# Altium PCB PASTE.PcbDoc (part 5 of 7) (continued)
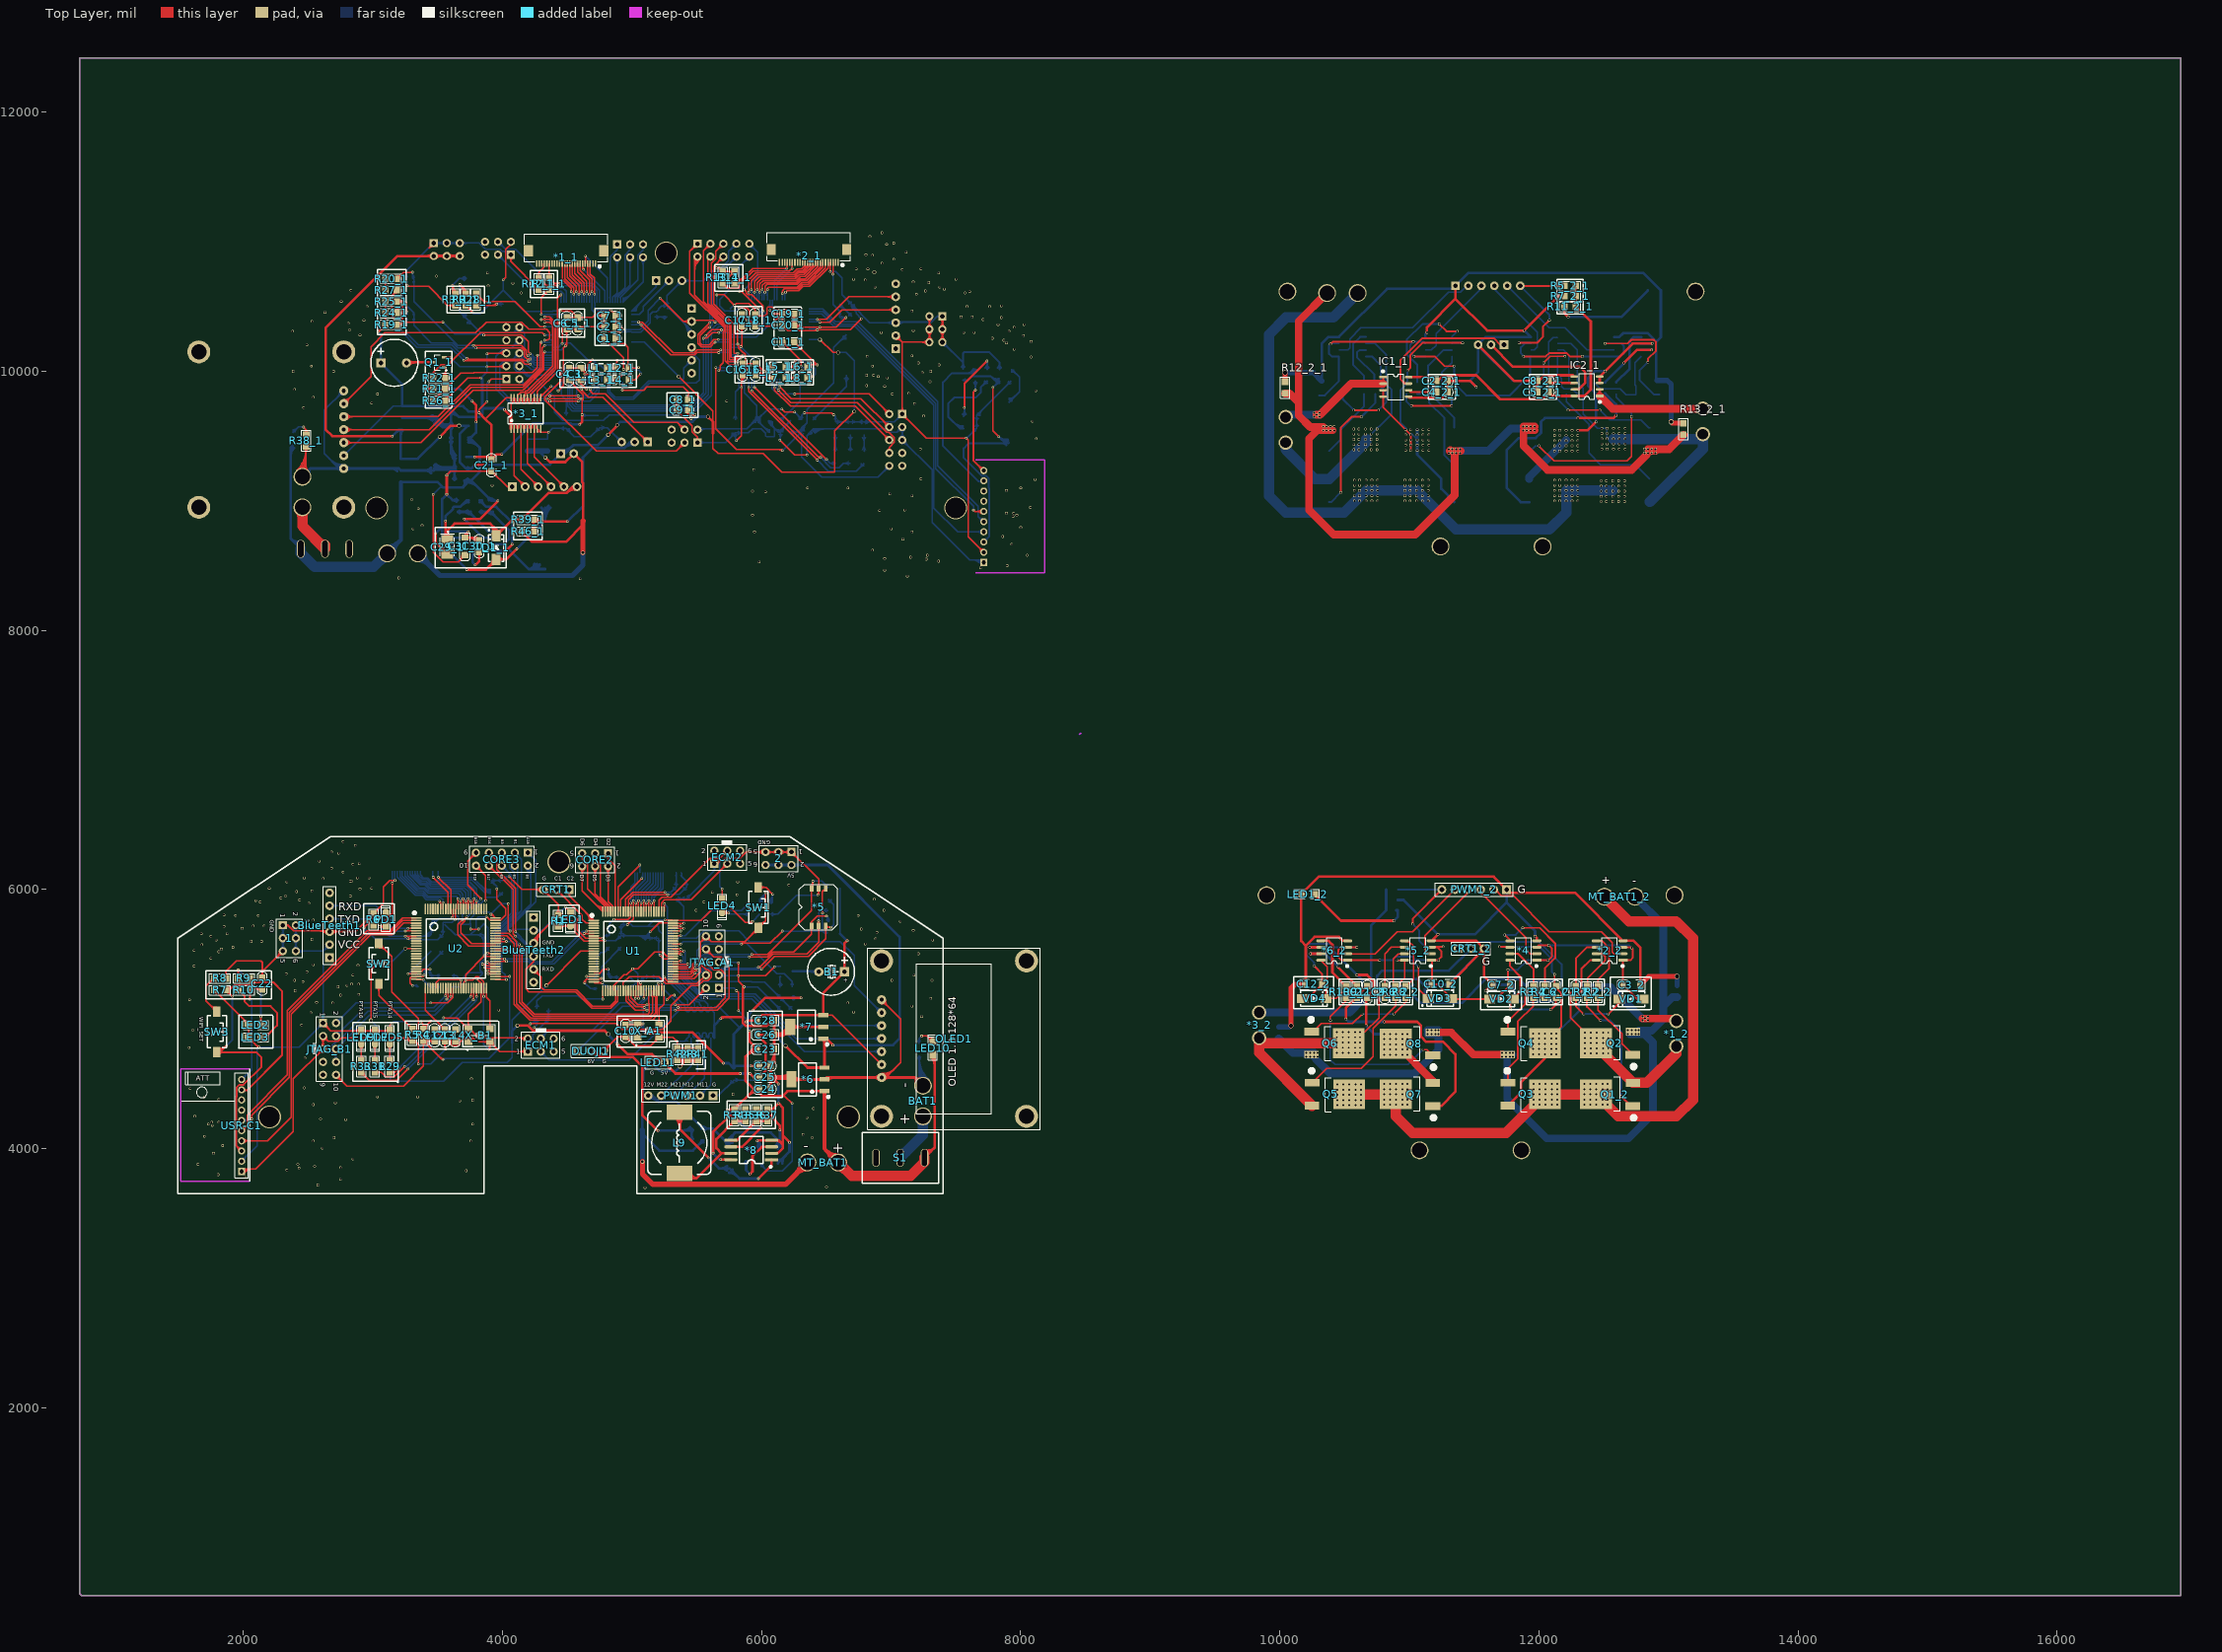
[diagram p0: Top Layer view]
## Nets (pads, with @x,y where several pads share a name; then routed paths per layer and width w, separated by ;. In a path a pad name is that pad's centre, name@x,y a point inside that pad or via, vN(x,y) a via of type N, cw(c..) or ccw(c..) an arc to the next point about the centre after c; other vN are vias at no path point) (continued)
4088.08,5816.92 4088.08,6134.74 4054.57,6168.25 4054.57,6225.43 3995,6285 ; v2@3848.54,5428.54 ccw(c3869.14,5449.14) 3869.14,5420 ; 3850.25,6014.75 ccw(c3910,6074.5) 3910,5990 ; v2@3851.46,5171.46 cw(c3842.93,5162.93) 3855,5162.93 cw(c3867.07,5162.93) v2@3858.54,5171.46 ; v2@3851.46,5178.54 ccw(c3842.93,5187.07) 3855,5187.07 ccw(c3867.07,5187.07) v2@3858.54,5178.54 ; 3852,5497.24 ccw(c3867.24,5497.24) v2@3856.46,5486.46 ; 3852,5521.38 ccw(c3891.38,5521.38) v2@3863.54,5493.54 ; 3859.14,5255.86 ccw(c3869.14,5245.86) 3855,5245.86 ccw(c3820.86,5245.86) 3845,5270 3855,5260 v2(3855,5175) 3855,4805 v2(3895,4765) ; v2(3860,5400) 3886.78,5400 3897.84,5388.94 3948.19,5388.94 3949.25,5390 3949.25,5658.38 4115,5824.13 4115,6165 4095,6185 ; v2(3860,5490) 3852,5498 3852,5650 3750,5650 ; v2@3863.54,5396.46 cw(c3872.07,5387.93) 3872.07,5400 cw(c3872.07,5412.07) v2@3863.54,5403.54 ; v2@3866.46,5911.46 ccw(c3857.93,5902.93) 3857.93,5915 ccw(c3857.93,5927.07) v2@3866.46,5918.54 ; v2@3871.46,5786.46 ccw(c3862.93,5777.93) 3862.93,5790 ccw(c3862.93,5802.07) v2@3871.46,5793.54 ; v2(3875,5790) 3815,5790 3795,5770 3795,5695 3750,5650 ; v2@3876.46,10131.46 cw(c3867.93,10122.93) 3880,10122.93 cw(c3892.07,10122.93) v2@3883.54,10131.46 ; 3878.94,5483.29 cw(c3911.71,5483.29) v2@3888.54,5506.46 ; v2(3880,9765) 3880,9905 v2(3895,9920) ; v2(3880,10135) v2(3880,10035) ; v2@3881.46,5513.54 ccw(c3870.67,5524.33) 3885.94,5524.33 ; v2@3883.54,10031.46 ccw(c3892.07,10022.93) 3880,10022.93 ccw(c3867.93,10022.93) 3876.46,10031.46 ccw(c3867.93,10022.93) 3867.93,10035 ccw(c3867.93,10047.07) 3876.46,10038.54 ccw(c3867.93,10047.07) 3880,10047.07 ccw(c3892.07,10047.07) v2@3883.54,10038.54 ; 3884.39,5980.61 ccw(c3910,6006.21) 3910,5970 ; v2(3885,5375) 3955.29,5375 3963.19,5382.9 3963.19,5652.61 4147.79,5837.21 4147.79,6232.21 4095,6285 ; v2(3885,5440) 3915,5440 3915,5663.55 4070,5818.55 4070,6110 3995,6185 ; v2@3888.54,5371.46 cw(c3897.07,5362.93) 3897.07,5375 cw(c3897.07,5387.07) v2@3888.54,5378.54 ; v2@3888.54,5436.46 cw(c3897.07,5427.93) 3897.07,5440 cw(c3897.07,5452.07) v2@3888.54,5443.54 ; v2@3890,4765 ccw(c3877.93,4765) 3886.46,4773.54 ccw(c3895,4782.07) v2@3895,4770 ; v2(3890,5350) 3950,5350 3980,5380 3980,5603.51 3977.13,5606.38 3977.13,5646.84 4217.65,5887.35 4217.65,6162.35 4195,6185 ; v2@3893.54,5346.46 cw(c3902.07,5337.93) 3902.07,5350 cw(c3902.07,5362.07) v2@3893.54,5353.54 ; v2@3905,5810 ccw(c3892.93,5810) 3901.46,5818.54 ccw(c3910,5827.07) 3910,5815 ccw(c3910,5827.07) 3918.54,5818.54 ccw(c3927.07,5810) v2@3915,5810 ; 3910,6050 cw(c3910,6001.72) 3944.14,6035.86 cw(c3978.28,6070) 3930,6070 ; 3924.14,6055.86 cw(c3958.28,6021.72) 3958.28,6070 cw(c3958.28,6118.28) 3924.14,6084.14 ; v2@3951.46,6008.54 ccw(c3942.93,6017.07) 3955,6017.07 ccw(c3967.07,6017.07) v2@3958.54,6008.54 ; v2(3955,6005) 3955,6025 3910,6070 4000,6070 4030,6100 ; v2(3955,10520) 4000,10520 4005,10525 ; v2@3957.5,10515.67 cw(c3964.29,10503.9) 3967.81,10517.03 ; v2@3957.5,10524.33 ccw(c3964.29,10536.1) 3967.81,10522.97 ; v2@3958.54,10516.46 cw(c3967.07,10507.93) 3967.07,10520 cw(c3967.07,10532.07) v2@3958.54,10523.54 ; v2@3959.33,10517.5 cw(c3968.47,10512.22) 3965.74,10522.42 ; v2@3959.33,10522.5 ccw(c3968.47,10527.78) 3965.74,10517.58 ; 3965,10873.5 cw(c3965,10809.54) 4010.23,10854.77 cw(c4055.46,10900) 3991.5,10900 ; 3965,10883.5 cw(c3965,10843.68) 3993.16,10871.84 cw(c4021.32,10900) 3981.5,10900 ; 3965,10900 4245,10620 4450,10620 4473.24,10596.76 4473.24,10530.21 ; 3965,10973.5 cw(c3965,10909.54) 4010.23,10954.77 cw(c4055.46,11000) 3991.5,11000 ; 3965,10983.5 cw(c3965,10943.68) 3993.16,10971.84 cw(c4021.32,11000) 3981.5,11000 ; 3965,11000 4024.57,10940.43 4100.2,10940.43 4400.63,10640 4470,10640 4492.93,10617.07 4492.93,10530.21 ; 3980,5980 cw(c3931.72,5980) 3965.86,5945.86 cw(c4000,5911.72) 4000,5960 ; 3985.86,6055.86 ccw(c3951.72,6021.72) 3951.72,6070 ccw(c3951.72,6118.28) 3985.86,6084.14 ; 3990.86,10505.86 ccw(c3956.72,10471.72) 3956.72,10520 ccw(c3956.72,10568.28) 3990.86,10534.14 ; 3995,6158.5 cw(c3995,6094.54) 4040.23,6139.77 cw(c4085.46,6185) 4021.5,6185 ; 3995,6168.5 cw(c3995,6128.68) 4023.16,6156.84 cw(c4051.32,6185) 4011.5,6185 ; 3995,6258.5 cw(c3995,6194.54) 4040.23,6239.77 cw(c4085.46,6285) 4021.5,6285 ; 3995,6268.5 cw(c3995,6228.68) 4023.16,6256.84 cw(c4051.32,6285) 4011.5,6285 ; 4001.91,6089.91 ccw(c4005.25,6124.74) 4030,6100 ; v2(4005,10705) 4005,10625 ; 4008.77,10926.5 cw(c4008.77,10884.72) 4049.08,10895.67 ; v2(4010,5620) 4085,5620 v2(4130,5575) ; v2@4013.54,5616.46 cw(c4022.07,5607.93) 4022.07,5620 cw(c4022.07,5632.07) v2@4013.54,5623.54 ; v2(4015,5465) 4200.04,5465 4222.44,5442.6 4382.6,5442.6 4620,5680 v2(4650,5680) ; v2@4018.54,5461.46 cw(c4027.07,5452.93) 4027.07,5465 cw(c4027.07,5477.07) v2@4018.54,5468.54 ; 4019.91,6071.91 cw(c4054.74,6075.25) 4030,6100 ; 4021.85,10926.5 cw(c4021.85,10888.27) 4058.73,10898.3 ; v2@4025,5305 ccw(c4012.93,5305) 4021.46,5313.54 ccw(c4030,5322.07) v2@4030,5310 ; v2(4030,5305) 4018.94,5316.06 4018.94,5343.94 3995,5367.87 3995,5608.22 3991.06,5612.16 3991.06,5641.06 4255,5905 4255,6225 4195,6285 ; v2(4030,5445) 4200.16,5445 4216.5,5428.66 4398.66,5428.66 v2(4630.89,5660.89) ; v2(4030,5600) 4080,5600 4111.06,5568.94 4111.06,5567.16 4122.16,5556.06 4148.94,5556.06 v2(4150,5555) ; v2@4033.54,5441.46 cw(c4042.07,5432.93) 4042.07,5445 cw(c4042.07,5457.07) v2@4033.54,5448.54 ; v2@4033.54,5596.46 cw(c4042.07,5587.93) 4042.07,5600 cw(c4042.07,5612.07) v2@4033.54,5603.54 ; 4034.93,10926.5 cw(c4034.93,10891.83) 4068.38,10900.92 ; v2(4035,5545) 4036.06,5543.94 4067.84,5543.94 4078.94,5532.84 4078.94,5531.06 4105,5505 4160.29,5505 4176.06,5520.77 4176.06,5575 4111.06,5640 ; v2@4038.54,5548.54 ccw(c4049.64,5559.64) 4049.64,5543.94 ; 4039.43,10893.05 ccw(c3995.69,10881.17) 3995.69,10926.5 ; v2(4045,5890) 3990,5890 v2(3910,5810) 3895,5825 3800,5825 3750,5775 3750,5740 ; v2@4046.46,6096.46 ccw(c4037.93,6087.93) 4037.93,6100 ccw(c4037.93,6112.07) v2@4046.46,6103.54 ; v2(4050,6100) 4030,6100 ; v2@4051.46,5326.46 cw(c4042.93,5317.93) 4055,5317.93 cw(c4067.07,5317.93) v2@4058.54,5326.46 ; v2@4060,5520 cw(c4060,5507.93) 4068.54,5516.46 cw(c4077.07,5525) v2@4065,5525 ; v2(4060,5525) 4095,5490 4165,5490 4190,5515 4190,5585 v2(4100,5675) ; v2(4060,5680) 4073.94,5693.94 4231.06,5693.94 4240,5685 4305,5685 ; 4065,10900 4038.5,10926.5 3995.68,10926.5 ; 4075,4910 4075,4995 v3(4340,5260) ; 4095,6258.5 cw(c4095,6194.54) 4140.23,6239.77 cw(c4185.46,6285) 4121.5,6285 ; 4095,6268.5 cw(c4095,6228.68) 4123.16,6256.84 cw(c4151.32,6285) 4111.5,6285 ; v2@4100,5635 cw(c4100,5596.22) 4127.42,5623.64 ; v2(4100,5640) 4111.06,5640 ; v2@4100,5645 cw(c4100,5630.36) 4110.35,5640.71 ; v2@4100,5670 cw(c4100,5657.93) 4108.54,5666.46 cw(c4117.07,5675) v2@4105,5675 ; 4103.5,10140 cw(c4039.54,10140) 4084.77,10094.77 cw(c4130,10049.54) 4130,10113.5 ; 4103.5,10240 cw(c4039.54,10240) 4084.77,10194.77 cw(c4130,10149.54) 4130,10213.5 ; 4103.59,10337.82 cw(c4055.31,10333.83) 4089.57,10299.57 ; v2@4103.75,5636.7 cw(c4111.06,5630.26) 4111.06,5640 ; v2@4103.75,5643.3 ccw(c4111.06,5649.74) 4111.06,5640 ; 4113.5,10140 cw(c4073.68,10140) 4101.84,10111.84 cw(c4130,10083.68) 4130,10123.5 ; 4113.5,10240 cw(c4073.68,10240) 4101.84,10211.84 cw(c4130,10183.68) 4130,10223.5 ; 4113.56,10338.64 cw(c4083.5,10336.16) 4104.83,10314.83 cw(c4126.16,10293.5) 4128.64,10323.56 ; v2@4125,5575 ccw(c4112.93,5575) 4121.46,5583.54 ccw(c4130,5592.07) v2@4130,5580 ; 4127.82,10313.59 ccw(c4123.83,10265.31) 4089.57,10299.57 ; 4130,9913.5 cw(c4130,9849.54) 4175.23,9894.77 cw(c4220.46,9940) 4156.5,9940 ; 4130,9923.5 cw(c4130,9883.68) 4158.16,9911.84 cw(c4186.32,9940) 4146.5,9940 ; 4130,9940 4260,9810 v2(4365,9810) ; 4130,10040 4197.05,9972.95 4437.95,9972.95 4451.06,9986.06 4451.06,9987.84 4493.22,10030 4720,10030 4768.52,9981.48 4768.52,9919.79 ; 4130,10140 4070.43,10080.43 4013.25,10080.43 3980,10047.18 3980,9865 4055,9790 v2(4345,9790) ; 4130,10240 4070.43,10180.43 4013.25,10180.43 3950,10117.18 3950,9865 4043.94,9771.06 4363.94,9771.06 v2(4365,9770) ; 4130,10313.5 cw(c4130,10261.61) 4166.7,10298.3 ; 4135.36,5556.06 cw(c4135.36,5540.36) v2@4146.46,5551.46 ; 4146.35,10337.81 ccw(c4180.5,10333.23) 4156.14,10308.86 ; 4156.26,10336.48 ccw(c4205.71,10329.85) 4170.43,10294.57 ; 4176.26,6166.26 cw(c4076.36,6066.36) 4217.65,6066.36 ; 4183.18,4773.71 ccw(c4173.65,4792.82) 4195,4792.82 ; 4183.34,6173.34 cw(c4100.51,6090.51) 4217.65,6090.51 ; 4190,9475 4270,9475 4350,9475 4350,9525 v2(4355,9530) 4385,9560 4492,9560 4492,9558 4555,9495 4680,9495 4750,9565 4810,9565 4920,9455 ; 4190.41,6180.41 cw(c4124.65,6114.65) 4217.65,6114.65 ; 4195,4750 4195,4792.82 ; 4195,6258.5 cw(c4195,6194.54) 4240.23,6239.77 cw(c4285.46,6285) 4221.5,6285 ; 4195,6268.5 cw(c4195,6228.68) 4223.16,6256.84 cw(c4251.32,6285) 4211.5,6285 ; v2(4195,10080) 4201.06,10073.94 4222.84,10073.94 4248.95,10047.83 4384.57,10047.83 ; v2(4195,10120) 4201.06,10113.94 4222.84,10113.94 4249.58,10087.2 4384.57,10087.2 ; 4197.48,6187.48 cw(c4148.79,6138.79) 4217.65,6138.79 ; v2@4198.54,10083.54 ccw(c4221.71,10106.71) 4221.71,10073.94 ; v2@4198.54,10123.54 ccw(c4221.71,10146.71) 4221.71,10113.94 ; 4204.55,6194.55 cw(c4172.93,6162.93) 4217.65,6162.93 ; 4206.82,4773.71 cw(c4216.35,4792.82) 4195,4792.82 ; v2@4215,4960 ccw(c4215,4984.14) 4232.07,4967.07 ; v2(4215,4965) 4230,4965 4265,5000 4265,4955 ; v2@4215,4970 ccw(c4215,5018.28) 4249.14,4984.14 ; v2@4215,10050 cw(c4215,10037.93) 4223.54,10046.46 cw(c4232.07,10055) v2@4220,10055 ; v2(4215,10055) 4241.85,10028.15 4384.57,10028.15 ; v2(4215,10095) 4221.49,10095 4248.97,10067.52 4384.57,10067.52 ; v2(4215,10135) 4221.49,10135 4250.43,10106.06 4383.74,10106.06 4384.57,10106.89 ; v2@4218.54,4961.46 cw(c4227.07,4952.93) 4227.07,4965 cw(c4227.07,4977.07) v2@4218.54,4968.54 ; v2(4245,4935) 4265,4955 ; v2@4245,4940 ccw(c4245,4952.07) 4253.54,4943.54 ccw(c4262.07,4935) v2@4250,4935 ; 4245,5000 cw(c4196.72,5000) 4230.86,4965.86 cw(c4265,4931.72) 4265,4980 ; 4250.86,5094.14 ccw(c4216.72,5128.28) 4265,5128.28 ccw(c4313.28,5128.28) 4279.14,5094.14 ; 4251.6,4985.15 cw(c4224.38,4955) 4265,4955 ; 4260.92,5665.7 cw(c4305,5625.03) 4305,5685 ; 4260.92,5704.3 ccw(c4305,5744.97) 4305,5685 ; 4265,5080 4265,5140 4305,5180 4585,5180 4610,5155 v2(4775,5155) ; v2(4270,10125) 4382.99,10125 4384.57,10126.57 ; v2@4273.54,10121.46 cw(c4282.07,10112.93) 4282.07,10125 cw(c4282.07,10137.07) v2@4273.54,10128.54 ; 4278.4,4985.15 ccw(c4305.62,4955) 4265,4955 ; 4295,4723.5 cw(c4295,4659.54) 4340.23,4704.77 cw(c4385.46,4750) 4321.5,4750 ; 4295,4733.5 cw(c4295,4693.68) 4323.16,4721.84 cw(c4351.32,4750) 4311.5,4750 ; 4295,4750 4360,4685 4976.78,4685 5373.94,5082.16 5373.94,5101.06 5248.94,5226.06 5248.94,5323.94 v2(5250,5325) ; 4295,4850 4350,4905 4685,4905 4905,5125 5000,5125 5025,5150 v2(5025,5160) ; 4295,4866.5 ccw(c4295,4906.32) 4323.16,4878.16 ccw(c4351.32,4850) 4311.5,4850 ; 4295,4876.5 ccw(c4295,4940.46) 4340.23,4895.23 ccw(c4385.46,4850) 4321.5,4850 ; v2(4300,10225) 4303.94,10221.06 4332.84,10221.06 4332.92,10221.14 4370,10221.14 ; v2(4300,10400) v2@4305,10400 ; v2@4300,10401.06 4383.46,10401.06 4384.57,10402.17 ; v2(4300,10440) 4383.03,10440 4384.57,10441.54 4493.46,10441.54 v2(4560,10375) ; v2@4303.54,10228.54 ccw(c4321.58,10246.58) 4321.58,10221.06 ; v2@4303.54,10396.46 cw(c4314.64,10385.36) 4314.64,10401.06 ; v2@4303.54,10436.46 cw(c4312.07,10427.93) 4312.07,10440 cw(c4312.07,10452.07) v2@4303.54,10443.54 ; v2(4325,10150) 4328.74,10146.26 4384.57,10146.26 ; v2(4325,10200) 4330.31,10205.32 4384.57,10205.32 ; v2(4325,10240) 4342.74,10240 ; v2(4325,10280) 4343.37,10280 ; v2(4325,10345) 4326.89,10343.11 4384.57,10343.11 ; v2(4325,10380) 4327.48,10382.48 4384.57,10382.48 ; v2(4325,10420) 4382.72,10420 4384.57,10421.85 ; v2@4327.95,10244.03 ccw(c4336.69,10255.97) 4340.52,10241.68 ; v2@4328.54,10153.54 ccw(c4346.1,10171.1) 4346.1,10146.26 ; v2@4328.54,10196.46 cw(c4349.9,10175.1) 4349.9,10205.32 ; v2@4328.54,10236.46 cw(c4337.07,10227.93) 4337.07,10240 cw(c4337.07,10252.07) v2@4328.54,10243.54 ; v2@4328.54,10276.46 cw(c4337.07,10267.93) 4337.07,10280 cw(c4337.07,10292.07) v2@4328.54,10283.54 ; v2@4328.54,10348.54 ccw(c4341.63,10361.63) 4341.63,10343.11 ; v2@4328.54,10376.46 cw(c4343.06,10361.94) 4343.06,10382.48 ; v2@4328.54,10416.46 cw(c4337.07,10407.93) 4337.07,10420 cw(c4337.07,10432.07) v2@4328.54,10423.54 ; v2@4334.25,10240 ccw(c4334.25,10260.56) 4348.78,10246.02 ; 4335,5000 cw(c4286.72,5000) 4320.86,4965.86 cw(c4355,4931.72) 4355,4980 ; 4335.77,10280 ccw(c4335.77,10298.41) 4348.78,10285.39 ; 4336.24,10012.32 cw(c4336.24,9994.59) 4348.78,10007.13 ; 4336.24,10221.14 ccw(c4336.24,10238.88) 4348.78,10226.34 ; 4340.86,5014.14 ccw(c4306.72,5048.28) 4355,5048.28 ccw(c4403.28,5048.28) 4369.14,5014.14 ; 4340.86,5065.86 cw(c4306.72,5031.72) 4355,5031.72 cw(c4403.28,5031.72) 4369.14,5065.86 ; 4341.09,10420 ccw(c4341.09,10430.88) 4348.78,10423.19 ; v2@4341.46,9786.46 ccw(c4332.93,9777.93) 4332.93,9790 ccw(c4332.93,9802.07) v2@4341.46,9793.54 ; 4341.75,10125 ccw(c4341.75,10134.94) 4348.78,10127.91 ; 4341.85,10440 ccw(c4341.85,10449.8) 4348.78,10442.87 ; 4342.89,10401.06 ccw(c4342.89,10409.39) 4348.78,10403.5 ; 4348.24,10244.9 cw(c4342.74,10245.54) 4342.74,10240 ; 4349.8,10242.82 ccw(c4348.62,10235.77) 4343.56,10240.83 ; 4349.8,10282.19 ccw(c4348.62,10275.14) 4343.56,10280.2 ; 4349.86,10282.18 ccw(c4348.81,10274.56) 4343.37,10280 ; 4350.02,10242.8 ccw(c4349.52,10233.22) 4342.74,10240 ; 4350.36,9771.06 cw(c4350.36,9755.36) v2@4361.46,9766.46 ; 4355,5080 4355,5000 4235.43,4880.43 4235.43,4833.25 4195,4792.82 ; v2@4355,9535 ccw(c4355,9547.07) 4363.54,9538.54 ccw(c4372.07,9530) v2@4360,9530 ; v2@4361.46,9806.46 ccw(c4352.93,9797.93) 4352.93,9810 ccw(c4352.93,9822.07) v2@4361.46,9813.54 ; v2(4375,9885) 4395,9885 v2(4430,9850) ; v2@4378.54,9881.46 cw(c4387.07,9872.93) 4387.07,9885 cw(c4387.07,9897.07) v2@4378.54,9888.54 ; 4384.57,9988.78 4388.43,9992.64 4425.57,9992.64 ; 4384.57,10008.46 4380.71,10012.32 4222.68,10012.32 4170.43,10064.57 4170.43,10123.25 ; 4384.57,10165.94 4455.94,10165.94 v2(4485,10195) ; 4384.57,10185.63 4385.2,10185 4430,10185 v2(4460,10215) 4465,10220 4525,10220 4655,10090 v2(4695,10090) 4741.06,10043.94 4760.26,10043.94 4843.4,9960.79 ; 4384.57,10244.68 4380.71,10240.83 4343.56,10240.83 ; 4384.57,10284.06 4380.71,10280.2 4343.56,10280.2 ; 4419.02,9990.67 ccw(c4419.02,10001.74) 4426.85,9993.91 ; 4419.02,10187.52 ccw(c4419.02,10220.12) 4442.07,10197.07 ; 4419.33,9990.64 ccw(c4420.52,9997.69) 4425.57,9992.64 ; v2@4425,9850 ccw(c4412.93,9850) 4421.46,9858.54 ccw(c4430,9867.07) v2@4430,9855 ; v2(4425,10660) 4690,10660 4729.15,10620.85 4729.15,10530.21 ; v2@4428.54,10656.46 cw(c4437.07,10647.93) 4437.07,10660 cw(c4437.07,10672.07) v2@4428.54,10663.54 ; 4435.85,10002.92 ccw(c4413.78,10025) v2@4445,10025 ; v2(4445,10465) 4388.35,10465 4384.57,10461.22 4168.78,10461.22 4005,10625 ; v2(4445,10680) 4695,10680 4748.83,10626.17 4748.83,10530.21 ; v2@4446.46,10586.46 cw(c4437.93,10577.93) 4450,10577.93 cw(c4462.07,10577.93) v2@4453.54,10586.46 ; v2@4448.54,10676.46 cw(c4457.07,10667.93) 4457.07,10680 cw(c4457.07,10692.07) v2@4448.54,10683.54 ; v2(4450,10025) 4450,10017.07 4425.57,9992.64 ; 4450,10577.82 ccw(c4466.71,10577.82) 4454.9,10566 ; v2(4450,10590) 4450,10533.77 4453.56,10530.21 ; 4455,9918.35 4453.56,9919.79 4453.56,9816.44 4491.06,9778.94 4491.06,9660.94 4492,9660 ; v2@4455,10215 cw(c4442.93,10215) 4451.46,10206.46 cw(c4460,10197.93) v2@4460,10210 ; v2@4463.54,10211.46 cw(c4484.14,10190.86) 4484.14,10220 ; v2@4466.46,9976.46 cw(c4457.93,9967.93) 4470,9967.93 cw(c4482.07,9967.93) v2@4473.54,9976.46 ; 4470,9966.63 ccw(c4485.64,9966.63) 4474.58,9955.57 ; v2(4470,9980) 4470,9923.03 4473.24,9919.79 ; 4472.93,9546.83 ccw(c4441.14,9515.04) 4441.14,9560 ccw(c4441.14,9604.96) 4472.93,9573.17 ; 4478.83,9673.17 ccw(c4449.3,9702.7) 4491.06,9702.7 ; v2@4480,10195 cw(c4467.93,10195) 4476.46,10186.46 cw(c4485,10177.93) v2@4485,10190 ; v2(4485,5865) 4305,5685 ; 4491.06,9707.22 ccw(c4539.22,9707.22) 4505.17,9673.17 ; 4492.93,9919.79 4495,9921.86 4495,9970 v2(4500,9975) ; 4497.91,9541.38 cw(c4497.91,9515.51) 4516.2,9533.8 ; 4506.53,9560 ccw(c4546.43,9560) 4518.21,9531.79 ; 4507.48,9877.51 ccw(c4499.65,9885.34) 4510.72,9885.34 ; 4510.76,9884.97 cw(c4504.23,9883.67) 4508.94,9878.96 ; 4512.61,9919.79 4508.94,9916.11 4508.94,9878.96 ; 4516.53,9560 ccw(c4580.57,9560) 4535.29,9514.71 ; v2@4526.46,10611.46 cw(c4517.93,10602.93) 4530,10602.93 cw(c4542.07,10602.93) v2@4533.54,10611.46 ; 4527.15,9877.47 ccw(c4519.28,9885.34) 4530.41,9885.34 ; 4530,10574.77 ccw(c4542.41,10574.77) 4533.64,10566 ; v2(4530,10615) 4530,10532.51 4532.3,10530.21 ; 4530.44,9885.02 cw(c4523.38,9883.82) 4528.44,9878.76 ; 4532.3,9919.79 4528.44,9915.93 4528.44,9878.76 ; v2@4546.46,10591.46 cw(c4533.14,10578.14) 4551.98,10578.14 ; 4546.82,9877.42 ccw(c4538.9,9885.34) 4550.09,9885.34 ; 4548.13,9877.69 cw(c4554.2,9877.69) 4552.51,9883.52 ; 4548.13,9891 cw(c4550.35,9891) 4549.73,9893.13 ; v2(4550,10595) 4551.98,10593.02 4551.98,10530.21 ; 4550.12,9885.02 cw(c4543.06,9883.8) 4548.13,9878.73 ; 4551.98,9919.79 4548.13,9915.93 4548.13,9878.73 ; v2@4555,10375 ccw(c4542.93,10375) 4551.46,10383.54 ccw(c4560,10392.07) v2@4560,10380 ; v2@4566.46,10611.46 cw(c4555.36,10600.36) 4571.06,10600.36 ; v2(4570,10615) 4571.06,10613.94 4571.06,10530.82 4571.67,10530.21 ; 4571.67,9919.79 4571.67,9823.45 4566.06,9817.84 4566.06,9748.94 4575,9740 5455,9740 5550,9835 v2(5550,10255) ; 4580,4755 4925,5100 5035,5100 5090,5155 v2(5090,5160) ; 4580,4773.46 ccw(c4580,4818.04) 4611.52,4786.52 ccw(c4643.04,4755) 4598.46,4755 ; 4580,4783.46 ccw(c4580,4852.18) 4628.59,4803.59 ccw(c4677.18,4755) 4608.46,4755 ; v2(4585,9770) 4675,9770 4744.98,9839.98 4744.98,9915.93 4748.83,9919.79 ; v2(4585,9810) 4655,9810 4709.46,9864.46 4709.46,9919.79 ; v2@4586.46,10591.46 cw(c4574.66,10579.66) 4591.35,10579.66 ; v2@4588.54,9766.46 cw(c4597.07,9757.93) 4597.07,9770 cw(c4597.07,9782.07) v2@4588.54,9773.54 ; v2@4588.54,9806.46 cw(c4597.07,9797.93) 4597.07,9810 cw(c4597.07,9822.07) v2@4588.54,9813.54 ; v2(4590,10595) 4591.35,10593.65 4591.35,10530.21 ; v2(4605,9790) 4610,9795 4670.29,9795 4725,9849.71 4725,9850 4729.15,9854.15 4729.15,9919.79 ; v2@4606.46,9863.54 ccw(c4597.93,9872.07) 4610,9872.07 ccw(c4622.07,9872.07) v2@4613.54,9863.54 ; v2@4606.46,10611.46 cw(c4595.42,10600.42) 4611.04,10600.42 ; v2@4608.54,9786.46 cw(c4629.14,9765.86) 4629.14,9795 ; v2(4610,9860) 4610,9918.75 4611.04,9919.79 ; 4610,9878.27 cw(c4618.11,9878.27) 4612.38,9884 ; v2(4610,10615) 4611.04,10613.96 4611.04,10530.21 ; v2(4615,9665) v2@4620,9660 ; v2@4618.54,9668.54 ccw(c4639.14,9689.14) 4639.14,9660 ; v2@4619.33,9667.5 ccw(c4640.24,9679.57) 4633.99,9656.25 ; v2@4625,10780 cw(c4625,10767.93) 4633.54,10776.46 cw(c4642.07,10785) v2@4630,10785 ; v2(4625,10785) 4788.2,10621.8 4788.2,10530.21 ; v2@4625.89,5660.89 cw(c4613.82,5660.89) 4622.35,5652.35 cw(c4630.89,5643.82) v2@4630.89,5655.89 ; v2@4626.46,10591.46 cw(c4616.18,10581.18) 4630.72,10581.18 ; 4629.39,9955.57 ccw(c4616.85,9968.11) 4634.58,9968.11 ; v2(4630,10595) 4630.72,10594.28 4630.72,10530.21 ; 4630.72,9919.79 4634.58,9923.65 4634.58,9979.58 v2(4635,9980) ; 4630.72,10584.68 cw(c4640.32,10584.68) v2@4633.54,10591.46 ; v2@4631.46,9976.46 cw(c4623.94,9968.94) 4634.58,9968.94 ; 4634.58,9966.92 cw(c4648.08,9966.92) v2@4638.54,9976.46 ; v2@4635,5275 cw(c4635,5262.93) 4643.54,5271.46 cw(c4652.07,5280) v2@4640,5280 ; v2(4635,5280) 4680,5235 4730,5235 ; 4635.93,9650.76 ccw(c4620,9641.66) v2@4620,9660 ; 4635.93,9669.24 cw(c4620,9678.34) v2@4620,9660 ; v2@4640,10885 cw(c4640,10872.93) 4648.54,10881.46 cw(c4657.07,10890) v2@4645,10890 ; v2(4640,10890) 4807.89,10722.11 4807.89,10530.21 ; v2@4646.46,5676.46 ccw(c4637.93,5667.93) 4637.93,5680 ccw(c4637.93,5692.07) v2@4646.46,5683.54 ; v2@4646.46,9863.54 ccw(c4636.94,9873.06) 4650.41,9873.06 ; v2@4646.46,10611.46 cw(c4636.94,10601.94) 4650.41,10601.94 ; v2(4650,5330) 4655,5325 4730,5325 4730,5485 4760,5515 4785,5515 4825,5555 ; v2(4650,9860) 4650.41,9860.41 4650.41,9919.79 4653.94,9923.32 4653.94,9993.94 v2(4655,9995) ; v2(4650,10615) 4650.41,10614.59 4650.41,10530.21 ; 4650.41,9871.08 ccw(c4661.08,9871.08) v2@4653.54,9863.54 ; 4650.41,10603.92 cw(c4661.08,10603.92) v2@4653.54,10611.46 ; v2@4653.54,5333.54 ccw(c4674.14,5354.14) 4674.14,5325 ; 4653.94,9980.36 cw(c4669.64,9980.36) v2@4658.54,9991.46 ; v2@4666.46,10591.46 cw(c4657.7,10582.7) 4670.09,10582.7 ; 4668.76,9884 cw(c4656.22,9871.46) 4673.95,9871.46 ; v2(4670,10595) 4670.09,10594.91 4670.09,10530.21 ; 4670.09,9919.79 4673.95,9915.93 4673.95,9861.05 v2(4675,9860) ; 4670.09,10583.16 cw(c4681.84,10583.16) v2@4673.54,10591.46 ; 4673.95,9874.6 ccw(c4689.6,9874.6) v2@4678.54,9863.54 ; v2@4686.46,10611.46 cw(c4678.46,10603.46) 4689.78,10603.46 ; 4689.78,10602.4 cw(c4702.6,10602.4) v2@4693.54,10611.46 ; v2(4690,10615) 4689.78,10614.78 4689.78,10530.21 4689.78,10475.22 v2(4735,10430) ; v2@4691.46,10086.46 ccw(c4682.93,10077.93) 4682.93,10090 ccw(c4682.93,10102.07) v2@4691.46,10093.54 ; v2@4695,10085 cw(c4695,10072.93) 4703.54,10081.46 cw(c4712.07,10090) v2@4700,10090 ; v2@4706.46,10591.46 cw(c4699.22,10584.22) 4709.46,10584.22 ; 4708.95,10493.95 cw(c4707.31,10488.16) 4713.32,10488.16 ; 4709.46,10581.64 cw(c4723.36,10581.64) v2@4713.54,10591.46 ; v2(4710,10595) 4709.46,10594.46 4709.46,10530.21 4713.32,10526.35 4713.32,10489.21 ; 4711.33,10495.45 ccw(c4718.38,10494.26) 4713.32,10489.21 ; 4711.35,10495.76 ccw(c4722.43,10495.76) 4714.6,10487.93 ; 4719.39,5224.39 ccw(c4693.79,5198.79) 4693.79,5235 ccw(c4693.79,5271.21) 4719.39,5245.61 ; 4719.39,5314.39 ccw(c4693.79,5288.79) 4693.79,5325 ccw(c4693.79,5361.21) 4719.39,5335.61 ; 4719.39,5343.11 ccw(c4693.79,5368.71) 4730,5368.71 ccw(c4766.21,5368.71) 4740.61,5343.11 ; 4730,9565 cw(c4681.72,9565) 4715.86,9530.86 cw(c4750,9496.72) 4750,9545 ; v2@4730,10430 ccw(c4717.93,10430) 4726.46,10438.54 ccw(c4735,10447.07) v2@4735,10435 ; 4740,9660 4658,9660 v2@4620,9660 ; 4744.98,9871.46 cw(c4762.71,9871.46) 4750.17,9884 ; v2@4761.46,5318.54 ccw(c4752.93,5327.07) 4765,5327.07 ccw(c4777.07,5327.07) v2@4768.54,5318.54 ; 4764.14,9550.86 cw(c4798.28,9516.72) 4798.28,9565 cw(c4798.28,9613.28) 4764.14,9579.14 ; v2(4765,5315) 4765,5405 4915,5555 ; v2@4770,5275 cw(c4770,5262.93) 4778.54,5271.46 cw(c4787.07,5280) v2@4775,5280 ; v2(4770,5280) 4815,5235 4820,5235 4895,5235 ; v2(4770,5625) 4790,5645 ; v2@4771.46,5151.46 ccw(c4762.93,5142.93) 4762.93,5155 ccw(c4762.93,5167.07) v2@4771.46,5158.54 ; v2@4773.05,5276.95 ccw(c4820,5323.89) 4820,5257.5 ; v2@4774.83,5281.29 ccw(c4790.18,5285.41) 4782.23,5271.65 ; v2(4790,5605) 4875,5605 4915,5645 ; 4790.13,5259.87 ccw(c4820,5289.75) 4820,5247.5 ; v2@4793.54,5601.46 cw(c4802.07,5592.93) 4802.07,5605 cw(c4802.07,5617.07) v2@4793.54,5608.54 ; 4805,5555 cw(c4756.72,5555) 4790.86,5520.86 cw(c4825,5486.72) 4825,5535 ; 4806.55,9884 cw(c4794.01,9871.46) 4811.75,9871.46 ; 4807.77,5634.85 ccw(c4790,5624.38) 4790,5645 ; 4807.77,5655.15 cw(c4790,5665.62) 4790,5645 ; 4807.89,9919.79 4811.75,9915.93 4811.75,9838.25 4865,9785 5010,9785 5135,9910 5495,9910 5520,9935 5520,10085 5460,10145 ; 4809.39,5343.11 ccw(c4783.79,5368.71) 4820,5368.71 ccw(c4856.21,5368.71) 4830.61,5343.11 ; v2@4811.46,5381.46 cw(c4790.86,5360.86) 4820,5360.86 ; v2(4815,5385) 4820,5380 4820,5325 4895,5325 ; 4826.24,10566 ccw(c4813.7,10578.54) 4831.43,10578.54 ; 4827.57,9919.79 4827.57,9842.43 4870,9800 5005,9800 5128.94,9923.94 5378.94,9923.94 5400,9945 5400,10025 5460,10085 ; 4827.57,10530.21 4831.43,10534.07 4831.43,10883.61 4885,10937.18 ; 4830.61,5224.39 cw(c4856.21,5198.79) 4856.21,5235 cw(c4856.21,5271.21) 4830.61,5245.61 ; 4830.61,5314.39 cw(c4856.21,5288.79) 4856.21,5325 cw(c4856.21,5361.21) 4830.61,5335.61 ; v2(4840,10470) 4732.53,10470 4713.32,10489.21 ; 4842.13,9962.07 cw(c4834.3,9954.24) 4845.37,9954.24 ; 4845.4,9954.55 ccw(c4838.35,9955.74) 4843.4,9960.79 ; 4847.26,9919.79 4843.4,9923.65 4843.4,9960.79 ; 4847.26,10530.21 4851.12,10534.07 4851.12,10571.29 ; 4849.12,10564.99 cw(c4856.19,10566.22) 4851.12,10571.29 ; 4849.15,10564.66 cw(c4860.4,10564.66) 4852.45,10572.62 ; v2@4863.54,5773.54 ccw(c4886.71,5796.71) 4886.71,5763.94 ; 4866.26,10861.26 cw(c4821.03,10816.03) 4885,10816.03 cw(c4948.97,10816.03) 4903.74,10861.26 ; 4866.94,10530.21 4870.8,10534.07 4870.8,10571.27 ; 4868.81,10564.98 cw(c4875.87,10566.2) 4870.8,10571.27 ; 4868.83,10564.66 cw(c4880.03,10564.66) 4872.11,10572.58 ; 4873.18,10956.29 cw(c4863.65,10937.18) 4885,10937.18 ; 4873.34,10868.34 cw(c4845.18,10840.18) 4885,10840.18 cw(c4924.82,10840.18) 4896.66,10868.34 ; 4884.39,5224.39 ccw(c4858.79,5198.79) 4858.79,5235 ccw(c4858.79,5271.21) 4884.39,5245.61 ; 4884.39,5314.39 ccw(c4858.79,5288.79) 4858.79,5325 ccw(c4858.79,5361.21) 4884.39,5335.61 ; v2(4885,10085) 4920.68,10085 4953.99,10051.69 ; 4885,10880 4885,10605.17 4851.12,10571.29 ; 4885,10980 4885,10937.18 ; 4886.63,10530.21 4890.49,10534.07 4890.49,10571.24 ; 4888.52,10564.66 cw(c4899.65,10564.66) 4891.78,10572.53 ; 4888.49,10564.98 cw(c4895.55,10566.18) 4890.49,10571.24 ; v2@4888.54,10081.46 cw(c4897.07,10072.93) 4897.07,10085 cw(c4897.07,10097.07) v2@4888.54,10088.54 ; 4891.54,9455 ccw(c4822.82,9455) 4871.41,9503.59 ccw(c4920,9552.18) 4920,9483.46 ; 4895,5555 cw(c4846.72,5555) 4880.86,5520.86 cw(c4915,5486.72) 4915,5535 ; 4895,5645 cw(c4846.72,5645) 4880.86,5610.86 cw(c4915,5576.72) 4915,5625 ; 4896.82,10956.29 ccw(c4906.35,10937.18) 4885,10937.18 ; 4900.86,5659.14 ccw(c4866.72,5693.28) 4915,5693.28 ccw(c4963.28,5693.28) 4929.14,5659.14 ccw(c4963.28,5693.28) 4963.28,5645 ccw(c4963.28,5596.72) 4929.14,5630.86 ; 4900.86,5715.86 cw(c4866.72,5681.72) 4915,5681.72 cw(c4963.28,5681.72) 4929.14,5715.86 cw(c4963.28,5681.72) 4963.28,5730 cw(c4963.28,5778.28) 4929.14,5744.14 ; 4901.54,9455 ccw(c4856.96,9455) 4888.48,9486.52 ccw(c4920,9518.04) 4920,9473.46 ; 4906.31,10530.21 4910.17,10534.07 4910.17,10571.22 ; 4908.2,10564.66 cw(c4919.28,10564.66) 4911.45,10572.49 ; 4908.18,10564.98 cw(c4915.23,10566.16) 4910.17,10571.22 ; v2(4910,10305) 4993.73,10305 4994.99,10303.74 5068.74,10303.74 5141.06,10376.06 5141.06,10441.2 5158.8,10458.94 5187.34,10458.94 5203.7,10475.3 5203.7,10481.06 5227.64,10505 ; v2@4913.54,10301.46 cw(c4922.07,10292.93) 4922.07,10305 cw(c4922.07,10317.07) v2@4913.54,10308.54 ; v2@4921.46,9858.54 ccw(c4912.93,9867.07) 4925,9867.07 ccw(c4937.07,9867.07) v2@4928.54,9858.54 ; v2(4925,9855) 4925,9918.79 4926,9919.79 ; 4925,9878.36 cw(c4932.98,9878.36) 4927.34,9884 ; 4926,10530.21 5085,10689.21 5085,10880 ; 4926,10536.55 ccw(c4926,10551.85) 4936.82,10541.03 ; 4926,10546.55 ccw(c4926,10586) 4953.89,10558.1 ; 4926,10556.55 ccw(c4926,10620.14) 4970.96,10575.18 ; 4926,10566.55 ccw(c4926,10654.28) 4988.03,10592.25 ; v2(4930,9980) 4986.21,9980 4994.99,9988.78 ; v2(4930,10325) 4931.57,10323.43 4994.99,10323.43 5058.43,10323.43 5125,10390 5125,10470 5175,10520 5175,10525 v2(5215,10565) ; v2@4933.54,9976.46 cw(c4942.07,9967.93) 4942.07,9980 cw(c4942.07,9992.07) v2@4933.54,9983.54 ; v2@4933.54,10328.54 ccw(c4945.87,10340.87) 4945.87,10323.43 ; v2@4934.79,9980 ccw(c4934.79,10014.54) 4959.21,9990.12 cw(c4934.87,10014.32) v2@4934.87,9980 ; v2(4935,10015) 4941.54,10008.46 4994.99,10008.46 5051.54,10008.46 ; v2@4938.54,10018.54 ccw(c4962.85,10042.85) 4962.85,10008.46 ; 4944.87,9982.7 cw(c4940.65,9998.45) 4932.5,9984.33 ccw(c4940.69,9998.51) 4944.93,9982.69 ; 4952.19,5727.03 cw(c4955.71,5713.9) v2@4962.5,5725.67 ; 4952.19,5732.97 ccw(c4955.71,5746.1) v2@4962.5,5734.33 ; 4952.71,10052.97 ccw(c4960.54,10060.8) 4960.54,10049.72 ; 4952.94,10305 cw(c4952.94,10296.14) 4959.21,10302.4 ; 4954.26,5727.58 ccw(c4951.53,5737.78) v2@4960.67,5732.5 ; 4954.26,5732.42 cw(c4951.53,5722.22) v2@4960.67,5727.5 ; 4960.23,10049.7 cw(c4959.04,10056.75) 4953.99,10051.69 ; v2@4961.46,5726.46 ccw(c4952.93,5717.93) 4952.93,5730 ccw(c4952.93,5742.07) v2@4961.46,5733.54 ; v2(4965,5730) 4915,5730 4915,5645 ; 4966.26,10861.26 cw(c4921.03,10816.03) 4985,10816.03 cw(c5048.97,10816.03) 5003.74,10861.26 ; 4973.18,10956.29 cw(c4963.65,10937.18) 4985,10937.18